# KiCad board Lime_RFE.kicad_pcb (continued)
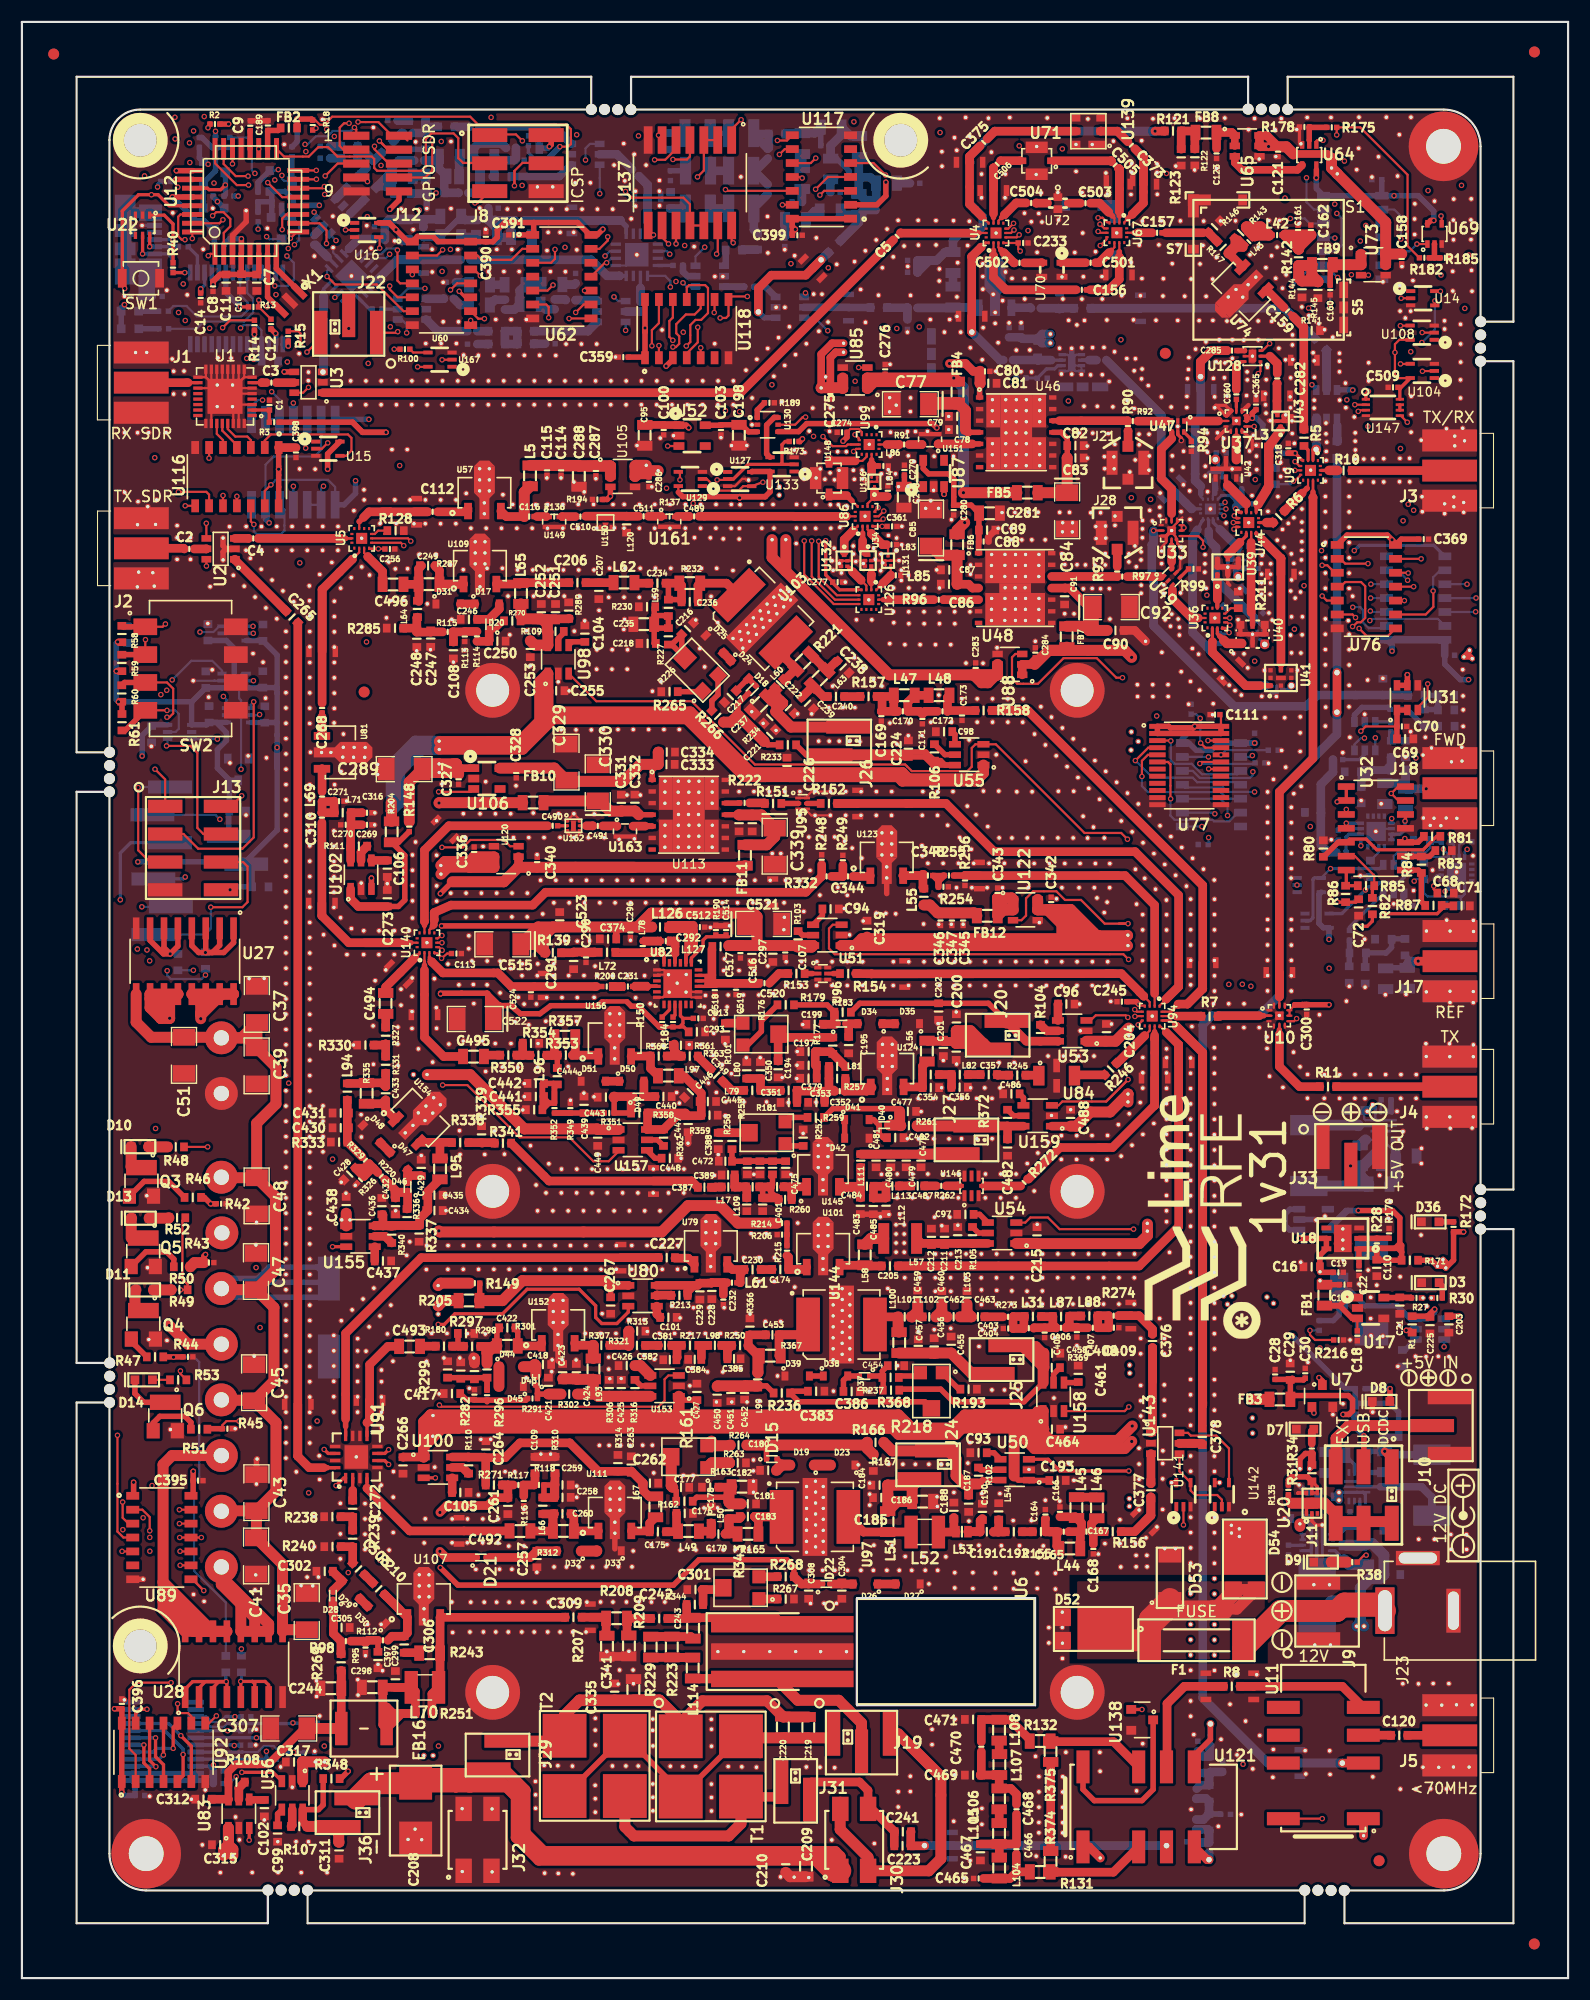
[diagram p0: board, top side]
## Routing (per net, layer and track width the routed paths; a pad name or vN(x,y) marks a point on that pad's centre or on a via; arc(x,y) is an arc through that point) (continued)
/FAN/FAN_POWER_5V: length 12.8
  T w0.5: v1(128.92,61.04) 128.49,60.61 C225.1 128.42,60.4 R1.2
  B w0.5: v1(128.92,61.04) 128.92,60.76 128.33,60.17 U110.6 126.68,60.17 125.51,61.34 122.57,61.34 121.21,62.7 P1.2
/FAN_EN: length 75.9
  SIG1 w0.2: v1(129.78,57.61) 129.78,61.98 128.71,63.04 128.71,65.61 129.15,66.04 129.15,97.94 127.75,99.34 127.75,104.88 126.02,106.6 126.02,110.15 125.47,110.71 125.47,112.38 126.02,112.94 126.02,114.4 126.96,115.34 126.96,125.88 126.45,126.39 v1(126.45,127.56)
  B w0.2: v1(126.45,127.56) 125.54,128.47 U119.6 ; U110.3 129.78,58.26 v1(129.78,57.61)
/FAN_SENSE: length 239.6
  T w0.2: 117.55,59.11 v1(117.54,59.11) 117.54,58.69 118.01,58.23 R216.2 ; v1(17.4,160.82) 17.73,161.15 18.4,161.15 19.02,160.53 19.02,159.86 18.42,159.26 U12.2
  SIG1 w0.2: 123.56,153.29 123.56,153.28 123.56,150.94 ; 123.56,150.94 123.56,148.83 124.91,147.47 124.91,134.73 123.56,133.38 123.56,128.77 123.89,128.44 123.89,121.62 123.56,121.29 123.56,115.87 124.68,114.76 124.68,111.66 123.56,110.54 123.56,105.96 124.21,105.31 124.21,103.91 123.56,103.25 123.56,88.62 120.99,86.06 120.99,79.69 117.54,76.24 117.54,68.71 118.35,67.9 118.35,65.51 117.54,64.7 v1(117.54,59.11) ; 123.56,150.94 123.56,159.02 v1(122.64,159.94) ; v1(15.32,165.68) 16.45,164.55 16.45,161.52 17.15,160.82 v1(17.4,160.82)
  SIG2 w0.2: v1(122.64,159.94) 122.64,162.87 122.22,163.29 105.87,163.29 105.48,163.68 97.67,163.68 97.43,163.92 93.13,163.92 92.5,163.29 86.92,163.29 86.02,162.39 75.23,162.39 72.2,165.42 60.76,165.42 58.88,163.54 53.95,163.54 52.07,165.42 40.72,165.42 40.17,164.87 32.45,164.87 32.03,165.29 31.78,165.29 31.24,165.83 22.93,165.83 22.65,166.11 15.75,166.11 v1(15.32,165.68)
  B w0.2: v1(117.54,59.11) 117.55,59.1 R235.2
/GAMMA_DB: length 115.1
  T w0.3: C72.1 121.72,98.18 R86.1 120.03,98.18 v1(120.02,98.19)
  SIG2 w0.2: 38.47,97.67 30.84,97.67 28.78,99.74 23.73,99.74 22.98,100.48 v1(14.9,100.48)
  SIG2 w0.3: 38.47,97.67 39.27,98.47 46.76,98.47 47.64,99.36 71.29,99.36 72.62,100.69 77.02,100.69 77.98,99.72 80.23,99.72 81.62,101.11 100.68,101.11 103.09,98.69 103.75,98.69 104.1,99.05 109.53,99.05 110.39,98.19 v1(120.02,98.19)
  B w0.3: v1(14.9,100.48) 14.72,100.3 J7.1
/GPIO0: length 20.3
  T w0.2: v1(30.34,168.88) 30.51,168.71 J12.1
  SIG1 w0.2: v1(25.83,167.34) 25.25,166.75 25.25,158.56 v1(24.87,158.18)
  B w0.2: v1(24.87,158.18) 25.3,158.61 25.3,160.02 Q7.S ; v1(30.34,168.88) 30.04,168.57 28.37,168.57 27.88,168.08 26.83,168.08 26.09,167.34 v1(25.83,167.34)
  B w0.5: Q7.S 23.99,160.68 23.7,160.97 R187.1
/GPIO1: length 45.6
  T w0.2: v1(34.29,150.24) 34.19,150.14 J22.1 ; 35.18,167.69 34.75,168.12 J12.2 ; v1(30.67,169.38) 30.69,169.37 32.53,169.37 33.77,168.12 J12.2 ; J12.2 34.84,168.12
  SIG1 w0.2: 30.69,169.83 30.69,169.76 30.69,169.82 30.67,169.83 v1(30.67,169.38) ; 30.69,169.83 34.01,169.83 35.17,168.67 35.17,157.14 34.29,156.26 v1(34.29,150.24) ; 30.69,169.83 28.3,169.83 27.59,169.12 27.22,169.12 27.07,169.27 25.89,169.27 24.69,168.08 24.69,167.21 23.4,165.92 v1(23.4,165.03)
  B w0.2: v1(23.4,165.03) 23.31,164.95 Q8.S
  B w0.5: Q8.S 21.55,163.86 R188.1
/GPIO_ADC1: length 11.5
  T w0.2: v1(10.61,108.64) 10.61,102.92 11.69,101.84 J13.3
  B w0.2: v1(10.61,108.64) 10.66,108.69 J6.3
/GPIO_ADC2: length 16.8
  T w0.2: v1(17.23,97.72) 20.12,97.72 20.59,98.19 20.59,101.44 20.19,101.84 J13.6
  B w0.2: v1(17.23,97.72) 17.23,95.77 16.69,95.22 J7.3
/GPIO_Subsystem/DIR_GPIO2: length 19.2
  T w0.2: v1(13.09,123.57) 12.84,123.31 SW2.1
  T w0.5: R58.1 9.21,123.31 SW2.1
  SIG1 w0.2: v1(13.09,123.57) 13.22,123.45 v1(13.22,117.52)
  SIG2 w0.2: v1(21.13,118.39) 19.09,118.39 18.22,117.52 v1(13.22,117.52)
  B w0.2: v1(21.13,118.39) U23.5
/GPIO_Subsystem/DIR_GPIO3: length 14.3
  T w0.2: v1(11.28,122.14) 11.26,122.12 SW2.2
  T w0.5: R59.1 9.13,120.77 SW2.2
  SIG2 w0.2: v1(11.28,122.14) 11.4,122.27 16.78,122.27 17.23,122.72 v1(21.12,122.72)
  B w0.2: v1(21.12,122.72) 21.11,122.71 U24.5
/GPIO_Subsystem/DIR_GPIO4: length 17.7
  T w0.2: 11.59,118.23 SW2.3 13.24,118.23 13.8,117.67 13.8,115.41 13.46,115.06 v1(13.24,115.06)
  T w0.5: R60.1 9.37,118.23 SW2.3
  SIG2 w0.2: v1(13.24,115.06) 14.37,115.06 14.61,115.31 v1(21.69,115.31)
  B w0.2: v1(21.69,115.31) 21.66,115.31 21.6,115.24 U25.5
/GPIO_Subsystem/DIR_GPIO5: length 8.6
  T w0.2: v1(13.24,115.68) 13.23,115.69 SW2.4
  T w0.5: SW2.4 9.42,113.85 R61.1
  B w0.2: v1(13.24,115.68) 13.99,115.68 14.31,115.36 14.31,114 14.03,113.72 U26.5
/GPIO_Subsystem/GPIO2: length 138.3
  T w0.2: v1(16.75,91.54) 16.75,91.54 16.72,91.54 ; J12.3 29.34,166.85 29,167.2 29,168.86 29.39,169.26 v1(29.85,169.26)
  T w0.5: R46.2 16.64,71.24 v1(17.22,70.66) R42.2
  SIG1 w0.2: v1(13.26,91.93) 13.03,92.16 13.03,94.31 13.71,94.99 v1(13.71,118.47) 13.71,128.53 13.45,128.79 13.45,132.72 13.71,132.98 13.71,143.27 13.14,143.85 13.14,148.2 13.71,148.78 13.71,155.51 13.26,155.97 13.26,165.5 14.58,166.82 14.58,168.34 13.96,168.97 v1(13.96,169.81) ; v1(17.22,70.66) 18.63,70.66 20.3,72.33 20.3,87.5 16.75,91.05 v1(16.75,91.54)
  SIG2 w0.2: v1(29.85,169.26) 29.84,169.27 27.72,169.27 27.59,169.14 27.26,169.14 27.12,169.27 26.15,169.27 25.5,168.62 24.7,168.62 24.25,169.06 19.85,169.06 19.35,168.56 18.62,168.56 17.82,169.36 15.76,169.36 15.31,169.81 v1(13.96,169.81)
  B w0.2: v1(13.71,118.47) 15.46,120.21 17.37,120.21 18.26,119.31 U23.3 ; R54.2 v1(16.75,91.54) 16.39,91.18 13.58,91.18 13.26,91.5 v1(13.26,91.93)
/GPIO_Subsystem/GPIO2_LS: length 20.9
  T w0.2: v1(12.14,110.32) 13.07,109.39 J13.1
  SIG2 w0.2: v1(20,110.31) 19.99,110.32 v1(12.14,110.32)
  B w0.2: U23.4 20.08,119.04 19.82,118.78 19.82,116.78 20,116.6 v1(20,110.31)
/GPIO_Subsystem/GPIO3: length 135.9
  T w0.2: 33.42,166.85 v1(32.62,167.65) 33.42,166.85 ; 33.42,166.85 J12.4
  T w0.5: v1(16.75,66.03) 16.61,65.89 R43.2
  T w1: R50.2 15.75,65.29 R43.2
  SIG1 w0.2: 16.25,123.62 16.25,126.9 17.45,128.1 17.45,133.99 16.25,135.19 16.25,152.98 16.98,153.72 16.98,155.28 17.68,155.98 17.68,159.41 16.07,161.03 16.07,164.13 14.74,165.45 14.74,165.81 16.22,167.29 16.22,168.06 15.71,168.56 v1(15.66,168.56) ; 16.25,123.62 16.25,119.68 16.9,119.03 16.9,117.91 16.25,117.25 16.25,99.91 15.25,98.91 15.25,92.36 v1(15.65,91.97) 15.25,91.57 15.25,68.23 16.75,66.73 v1(16.75,66.03) ; 16.25,123.62 v1(16.25,122.83)
  SIG2 w0.2: v1(32.62,167.65) 29.82,167.65 28.93,168.54 28.31,168.54 27.97,168.21 20.9,168.21 20.56,167.87 16.36,167.87 v1(15.66,168.56)
  B w0.2: v1(15.65,91.97) 15.65,91.97 R55.2 ; v1(16.25,122.83) 17.47,122.83 18,123.36 U24.3
/GPIO_Subsystem/GPIO3_LS: length 20.4
  T w0.2: v1(20.05,107.89) 19.09,106.93 J13.8
  SIG1 w0.2: v1(21.09,123.36) 19.93,123.36 19.43,122.86 19.43,112 20.57,110.87 20.57,110.03 20.05,109.51 v1(20.05,107.89)
  B w0.2: U24.4 20.47,123.36 v1(21.09,123.36)
/GPIO_Subsystem/GPIO4: length 178
  T w0.2: v1(13.98,167.83) 13.97,167.82 ; v1(27.68,164.46) 28.8,165.58 J12.5 30.32,165.58 ; R47.2 13.8,56.69 v1(13.84,56.66) 13.87,56.69 R44.2
  T w0.5: R47.2 R44.2
  SIG1 w0.2: v1(13.98,167.83) 13.98,166.8 12.84,165.66 12.84,155.12 12.53,154.81 12.53,153.72 12.84,153.42 12.84,142.4 12.57,142.13 12.57,139.49 12.84,139.22 12.84,125.39 12.32,124.87 12.32,117.49 v1(12.68,117.12) 12.68,57.82 v1(13.84,56.66) ; v1(28.51,168.06) 27.68,167.23 v1(27.68,164.46)
  SIG2 w0.2: v1(13.98,167.83) 14.21,168.06 15.56,168.06 16.17,167.45 20.85,167.45 21.23,167.83 28.28,167.83 v1(28.51,168.06) ; v1(12.68,117.12) 13.08,116.72 16.01,116.72 16.59,116.14 17.57,116.14 v1(18.39,116.96)
  B w0.2: v1(13.84,56.66) 15.73,56.66 16.18,56.21 16.18,45.71 15.71,45.24 15.71,37.17 18.6,34.28 R56.2 ; 18.67,116.67 v1(18.39,116.96) 18.67,116.67 ; 18.67,116.67 U25.3
/GPIO_Subsystem/GPIO4_LS: length 22.1
  T w0.2: J13.2 14.74,104.4 16.09,103.06 20.12,103.06 21.15,104.09 v1(21.15,116.47)
  B w0.2: v1(21.15,116.47) 20.87,116.19 U25.4
/GPIO_Subsystem/GPIO5: length 145.2
  T w0.2: 18.26,50.1 R45.2 18.3,50.46 18.66,50.83 v1(19.81,50.83) ; v1(29.82,150.54) 29.82,150.54 J22.2
  T w0.5: R51.2 16.97,50.13 R45.2
  SIG1 w0.2: 17.83,112.28 17.83,107.24 17.22,106.63 17.22,105.25 17.83,104.64 17.83,90.54 20.68,87.69 20.68,51.69 v1(19.81,50.83) 20.68,49.96 20.68,30.69 v1(20.03,30.04) ; 17.83,112.28 v1(17.83,113.07) ; 17.83,112.28 17.83,141.47 17.14,142.16 17.14,150.54 v1(17.13,150.55)
  SIG2 w0.2: v1(29.82,150.54) 29.81,150.55 20.93,150.55 20.23,149.85 17.83,149.85 v1(17.13,150.55)
  B w0.2: v1(20.03,30.04) 20.03,30.04 R57.2 ; v1(17.83,113.07) U26.3
/GPIO_Subsystem/GPIO5_CONN: length 36.3
  T w0.2: v1(26.01,148.38) 27.28,149.65 J22.3 ; v1(32.17,167.16) 32.17,166.89 33.48,165.58 J12.6 ; J12.6 33.59,165.58 ; J12.6 33.58,165.58 ; J12.6 33.61,165.58
  SIG1 w0.2: v1(27.81,168.72) 27.81,167.84 26.01,166.04 v1(26.01,148.38)
  SIG2 w0.2: v1(27.81,168.72) 27.97,168.88 29.14,168.88 29.15,168.88 29.85,168.18 32.89,168.18 33.16,167.91 33.16,167.4 32.93,167.16 v1(32.17,167.16)
/GPIO_Subsystem/GPIO5_LS: length 13
  T w0.2: v1(13.2,112.45) 15.37,112.45 16.01,111.81 16.01,104.96 16.56,104.4 J13.7
  B w0.2: v1(13.2,112.45) 13.29,112.54 U26.4
/GPIO_Subsystem/RELAY_0: length 34.4
  T w1: U27.15 U27.14 U27.13 16.32,88.98 16.32,87.88 ; U27.15 U27.16 18.23,89.79 16.32,87.88 ; U27.15 16.32,88.07 16.32,87.88 ; 16.32,87.88 v1(16.32,87.55)
  SIG1 w1: v1(16.32,87.55) 15.99,87.22 15.99,68.68 16.66,68 J16.7
/GPIO_Subsystem/RELAY_1: length 50.1
  T w1: 12.68,87.57 11.7,88.56 U27.10 ; 12.68,87.57 13.46,87.57 v1(13.48,87.59) ; 12.68,87.57 12.68,88.24 U27.12 ; 12.68,87.57 12.68,89.51 U27.11 ; U27.12 13.48,89.04 v1(13.48,87.59) ; U27.12 U27.10 ; v1(13.45,59.55) 15.15,57.84 J16.5 ; U27.10 11.7,89.37 v1(13.48,87.59)
  SIG1 w1: v1(13.48,87.59) 13.45,87.56 v1(13.45,59.55)
/GPIO_Subsystem/RELAY_2: length 48.8
  T w0.5: U28.15 U28.14 ; U28.15 U28.13 ; U28.15 U28.16
  T w1: 12.88,36.14 12.88,46.86 13.71,47.68 J16.3 ; 12.88,36.14 17.38,31.64 U28.13 U28.16 12.88,33.66 12.88,34.39 ; 12.88,36.14 12.88,35.31 ; 12.88,34.39 15.63,31.64 U28.15 ; 12.88,34.39 12.88,35.31 ; 12.88,35.31 16.54,31.64 U28.14
/GPIO_Subsystem/RELAY_3: length 29.5
  T w0.5: 21.25,32.88 18.2,35.93 J16.1 ; U28.12 U28.11
  T w1: 18.2,35.93 21.25,32.88 U28.11 ; 18.2,35.93 J16.1 18.2,36.63 22.52,32.32 U28.10 U28.11 ; 18.2,35.93 19.98,34.15 U28.12 U28.11
/LNA_EN: length 122.3
  T w0.2: R182.1 126.45,158.07 126.45,164.57 122.13,168.89 R175.1 119.98,168.2 v1(119.98,168.2) ; v1(27.6,163.49) 27.44,163.33 U12.14
  SIG1 w0.2: v1(38.27,167.6) 38.27,163.38 v1(37.8,162.91)
  SIG2 w0.2: v1(38.27,167.6) 39.44,168.78 44.99,168.78 45.6,169.38 50.42,169.38 51.03,168.78 68.05,168.78 69.02,169.74 74.31,169.74 79.16,164.89 79.55,164.89 80.09,164.35 84.04,164.35 87.59,167.89 98.74,167.89 99.25,168.4 102.32,168.4 103.02,167.7 104.22,167.7 104.72,168.2 v1(119.98,168.2) ; v1(37.8,162.91) 37.61,163.1 27.99,163.1 v1(27.6,163.49)
/MCU/DATA_5V: length 24.4
  T w0.2: v1(27.91,140.1) 27.37,139.56 U15.2 ; v1(27.8,158.29) 27.8,159.5 27.16,160.13 U12.10
  SIG1 w0.2: v1(27.91,140.1) 28.26,140.45 28.26,151.94 27.83,152.37 27.83,154.19 28.42,154.79 28.42,155.68 27.8,156.3 v1(27.8,158.29)
/MCU/DATA_CLK_5V: length 7.1
  T w0.2: v1(29.53,159.53) 29.54,159.52 U16.2 ; v1(24.5,158.77) 25.08,159.34 U12.9
  SIG2 w0.2: v1(24.5,158.77) 25.27,159.53 v1(29.53,159.53)
/MCU/DATA_RESET_5V: length 126.8
  T w0.2: v1(26.84,168.81) 26.68,168.65 R18.1 ; 24.52,160.94 U12.11 24.13,160.94 23.75,160.57 v1(23.75,159.55) ; U14.2 v1(125.86,153.29)
  SIG1 w0.2: v1(23.18,153.62) 23.65,154.09 23.65,159.45 ; 23.65,159.45 v1(23.75,159.55) ; 23.65,159.45 24.42,160.22 24.42,166.39 25.12,167.1 25.12,167.87 26.06,168.81 v1(26.84,168.81)
  SIG2 w0.2: v1(125.86,153.29) 112.64,153.29 111.97,152.62 94.11,152.62 92.93,153.8 90.28,153.8 89.86,154.22 88.53,154.22 87.83,153.52 86.43,153.52 85.84,152.92 84.39,152.92 84.22,153.1 71.03,153.1 70.62,153.51 67.82,153.51 67.2,152.88 23.92,152.88 v1(23.18,153.62)
/MCU/GPIO0_MCU: length 70.7
  T w0.2: v1(15.55,158.74) 15.55,159.27 U12.32 ; R2.1 16.98,169 v1(16.98,168.85) ; U167.2 39.24,147.68 v1(38.34,147.68)
  T w0.5: 17.16,169.19 R2.1
  SIG1 w0.2: v1(23.08,164.09) 22.93,163.95 22.93,159.52 v1(22.33,158.92) ; v1(17.53,163.8) 17.53,166.02 18.39,166.88 18.39,168.77 17.97,169.19 17.32,169.19 v1(16.98,168.85) ; v1(38.34,155.74) 38.34,155.31 37.47,154.44 37.47,148.56 v1(38.34,147.68) ; v1(14.72,154.6) 14.39,154.93 14.39,157.29 15.55,158.45 v1(15.55,158.74)
  SIG2 w0.2: 22.8,164.37 21.97,165.19 ; 21.97,165.19 v1(23.08,164.09) ; 21.97,165.19 20.59,165.19 19.49,164.09 17.82,164.09 v1(17.53,163.8) ; v1(22.33,158.92) 21.64,158.23 19.42,158.23 18.91,158.74 v1(15.55,158.74) ; v1(14.72,154.6) 15.59,155.46 23.51,155.46 25.02,153.95 28.72,153.95 29,153.67 31.09,153.67 32.36,154.94 33.76,154.94 34.74,155.92 36.21,155.92 36.93,155.2 37.79,155.2 38.33,155.74 v1(38.34,155.74)
  B w0.2: v1(22.33,158.92) 22.57,158.68 Q7.D
/MCU/GPIO1_MCU: length 26.9
  T w0.2: v1(17.01,157.18) 17.18,157.35 U12.1
  SIG1 w0.2: v1(23.08,154.42) 23.08,158 23.27,158.19 23.27,160.11 23.72,160.56 23.72,161.3 24.12,161.7 24.12,163.02 23.72,163.42 v1(23.72,164.5)
  SIG2 w0.2: v1(24.18,157.15) 24.16,157.18 v1(17.01,157.18)
  B w0.2: 24.83,156.51 24.82,156.52 ; 24.82,156.52 24.82,154.99 24.25,154.42 v1(23.08,154.42) ; 24.82,156.52 v1(24.18,157.15) ; 24.23,164 Q8.D 23.94,164 23.72,164.22 v1(23.72,164.5)
  B w0.5: R186.1 24.63,166.2 Q8.D
/MCU/MISO: length 30.1
  T w0.2: v1(26.87,164.96) 26.86,164.96 U12.16 ; v1(45.67,167.66) 45.08,168.24 41.78,168.24
  SIG1 w0.2: v1(45.67,167.66) 45.65,167.64 v1(45.65,163.59)
  SIG2 w0.2: v1(45.65,163.59) 45.65,164.29 45.38,164.55 41.09,164.55 40.47,163.93 32.25,163.93 31.63,164.55 29.89,164.55 29.48,164.96 v1(26.87,164.96)
/MCU/MOSI: length 26.3
  T w0.2: v1(26.88,164.15) 26.87,164.15 U12.15 ; 44.95,164.91 v1(44.95,163.56) 44.95,164.91 ; 44.95,164.91 45.68,165.64 47.69,165.64
  SIG2 w0.2: v1(44.95,163.56) 44.36,164.15 41.3,164.15 40.61,163.46 37.74,163.46 37.73,163.47 28.3,163.47 27.81,163.96 27.07,163.96 v1(26.88,164.15)
/MCU/RESET: length 66.5
  T w0.2: v1(21.62,153.13) 21.58,153.09 R13.2 21.61,152.5 C12.1 ; v1(9.38,154.18) 9.16,154.4 SW1.2 ; 42.69,163.1 41.58,161.99 v1(41.34,161.99)
  T w0.3: U12.29 13.44,161.74 12.43,162.74 v1(11.82,162.74) 10.65,162.74 9.16,161.26 SW1.2
  SIG2 w0.2: v1(9.38,154.18) 9.38,155.01 9.3,155.09 13.25,155.09 14.28,154.05 14.85,154.05 ; 14.85,154.05 15.88,155.09 ; 14.85,154.05 15.88,155.09 ; 15.88,155.09 18.17,155.09 20.13,153.13 v1(21.62,153.13) ; v1(41.34,161.99) 33.38,161.99 32.92,161.53 32.36,161.53 31.99,161.9 27.85,161.9 27.49,162.27 26.34,162.27 25.9,161.83 19.38,161.83 18.48,162.73 17.46,162.73 16.49,161.75 13.52,161.75 12.52,162.74 v1(11.82,162.74)
/MCU/RX: length 1
  T w0.5: v1(24.3,148.93) R15.1
  B w0.5: v1(24.3,148.93) 24.15,149.09 U13.1
/MCU/RX_SW_0_MCU: length 137.8
  T w0.2: v1(127.81,146.63) 127.83,146.65 128.89,146.65 ; v1(20.68,163.62) 19.61,163.62 17.62,165.61 U12.24 ; v1(20.51,147.8) 20.51,147.81 20.5,147.81
  SIG1 w0.2: v1(20.51,147.8) 20.51,152.88 19.57,153.82 19.57,157.33 20.68,158.45 20.68,160.6 21.37,161.29 21.37,161.9 20.68,162.59 v1(20.68,163.62)
  SIG2 w0.2: v1(20.51,147.8) 21.7,149 23.19,149 24.3,150.1 29.12,150.1 29.56,149.67 33.2,149.67 33.3,149.77 34.8,149.77 34.9,149.67 35.99,149.67 36.11,149.78 58.31,149.78 58.72,149.37 58.72,148.24 59.25,147.72 66.17,147.72 66.78,147.11 68.87,147.11 69.54,147.77 69.95,147.77 70.35,147.38 75.53,147.38 75.6,147.45 77.31,147.45 78,146.77 88.24,146.77 88.64,147.17 89.14,147.17 90.05,148.09 93.48,148.09 93.67,147.9 100,147.9 100.6,148.5 102.76,148.5 103.96,147.3 104.67,147.3 105.8,148.43 106.64,148.43 107.37,147.7 107.83,147.7 108.69,146.84 110.71,146.84 111.42,147.55 114.23,147.55 114.74,147.05 121.59,147.05 122,146.63 v1(127.81,146.63)
/MCU/RX_SW_1_MCU: length 129.1
  T w0.2: v1(127.78,150.16) 127.8,150.15 U108.2 ; v1(20.64,164.44) 19.51,164.44 18.41,165.55 U12.23
  SIG1 w0.2: 21.21,163.87 v1(20.64,164.44) ; 21.21,163.87 21.21,162.72 21.78,162.15 21.78,161.19 21.21,160.62 21.21,159.97 21.04,159.8 21.04,152.92 21.44,152.52 v1(22.39,152.52) ; 21.21,163.87 21.21,163.07 21.18,163.04 ; 21.18,163.04 21.18,163.02 21.18,163.04
  SIG2 w0.2: v1(127.78,150.16) 125.68,150.16 125.44,150.4 119.73,150.4 118.62,151.51 118.09,151.51 117.69,151.11 116.56,151.11 115.49,152.18 93.82,152.18 93.38,152.62 90.86,152.62 89.87,153.62 89.32,153.62 88.84,153.13 86.6,153.13 86.04,152.57 83.94,152.57 83.77,152.74 70.68,152.74 70.36,153.05 68.58,153.05 68,152.47 68,151.95 67.39,151.34 66.14,151.34 64.97,152.52 v1(22.39,152.52)
/MCU/SCK: length 30.4
  T w0.2: U12.17 23.93,166.22 26.18,166.22 27.04,167.08 27.94,167.08 28.81,166.22 31.93,166.22 32.15,166.01 32.15,165.19 32.41,164.93 36.46,164.93 36.86,165.32 36.86,167.84 37.36,168.34 39.39,168.34 39.82,167.91 39.82,166.08 40.26,165.64 44.14,165.64 ; 41.78,165.7 44.21,165.7
/MCU/SCL_MCU: length 9.5
  T w0.5: v1(13.73,162.53) 15.61,162.53 U12.28
  B w0.2: Q1.D 17.5,158.3 R19.1
  B w0.5: R19.1 17.56,159.47 Q1.D 16.65,160.38 15.86,160.38 15.86,160.4 v1(13.73,162.53)
/MCU/SDA_MCU: length 5.4
  T w0.3: v1(18.56,163.63) 18.14,163.2 17.08,163.2 16.94,163.34 U12.27
  B w0.3: v1(18.56,163.63) 18.57,163.63 ; v1(18.56,163.63) 18.57,163.63 ; v1(18.56,163.63) 18.57,163.63
  B w0.5: Q2.D 18.57,162.74 R20.1
/MCU/TX: length 1.3
  T w0.5: v1(21.22,149.99) R14.1
  B w0.5: v1(21.22,149.99) 21.22,149.99 U13.5
/PA_ENn: length 165.9
  T w0.2: v1(22.43,163.85) 23.76,162.52 U12.13
  SIG1 w0.2: 16.29,66.59 15.52,67.37 ; 16.29,66.59 14.95,67.93 14.95,99.19 15.89,100.13 15.89,101.24 15.58,101.55 15.58,117.29 16.27,117.99 16.27,118.74 15.59,119.43 15.59,120.93 15.58,120.93 15.58,127.35 16.33,128.1 16.33,134.06 15.58,134.82 15.58,143.66 15.83,143.91 15.83,154.02 15.38,154.46 15.38,157.42 16.21,158.25 16.21,159.74 15.17,160.79 15.17,162.49 v1(14.23,163.43) ; 16.29,66.59 16.29,45.82 15.76,45.28 15.76,37.04 19.19,33.61 19.19,26.07 18.81,25.69 18.81,23.57 19.39,22.99 19.39,22.11 18.73,21.46 18.73,21.07 19.55,20.25 v1(19.55,18.38)
  SIG2 w0.2: v1(22.43,163.85) 21.69,163.11 14.54,163.11 v1(14.23,163.43)
  B w0.2: v1(19.55,18.38) 18.92,17.75 R168.1
/PFWDF_DB: length 136.6
  T w0.3: v1(124.36,97.13) 129.15,97.13 129.56,97.54 R87.1
  T w0.5: R87.1 130.6,97.88 C71.1
  SIG2 w0.3: v1(8.98,98.4) 8.99,98.38 28.94,98.38 30.05,97.27 38.81,97.27 39.5,97.96 46.92,97.96 47.82,98.86 71.47,98.86 72.85,100.24 74.85,100.24 77.38,97.71 80.55,97.71 83.26,100.43 100.63,100.43 103.33,97.73 109.44,97.73 110.04,97.13 v1(124.36,97.13)
  B w0.3: v1(8.98,98.4) 8.98,102.67 9.93,103.61 J6.1
/PowerSupply/+12EXT: length 39.6
  T w1: 108.61,33.96 109.71,33.96 110.53,34.79 D54.2 ; 108.61,33.96 104.13,33.96 102.94,32.77 F1.1 102.94,32.23 ; 108.61,33.96 109.03,33.96 D54.2 ; 102.94,31.42 104.85,33.33 109.92,33.33 109.92,33.67 110.87,33.67 D54.2 D54.2 ; 98.78,31.99 98.78,30.88 98.83,30.83
  T w2: D52.1 99.85,30.83 F1.1 ; D53.1 102.94,32.77 F1.1 ; F1.1 102.94,31.42
/RX_H/BPF920/IN: length 10.2
  T w0.2: 100.9,160.52 100.6,160.22
  T w0.5: 101.32,160.96 101.32,160.95 100.9,160.52
  T w0.79: 101.32,160.95 101.32,160.96 102.35,161.98 102.35,166.16 ; 102.35,166.16 C373.2 ; 102.35,166.16 102.34,166.15 P106.2
/RX_H/BPF1300/IN: length 5.6
  T w0.2: 99.21,157.46 99.7,157.94 99.7,158.32
  T w0.5: 99.21,157.46 99.21,157.46 98.29,156.54 99.4,157.65 99.4,157.65
  T w0.79: 99.21,157.46 98.29,156.54 C501.2
/RX_H/BPF2400/IN: length 10.5
  T w0.1: 100.09,165.14 100.09,165.15 100.15,165.08
  T w0.2: 100.15,160.22 100.15,160.81
  T w0.5: 100.15,161.63 100.15,160.81
  T w0.79: 100.09,165.15 100.15,165.08 100.15,163.27 100.15,163.26 100.15,161.23 100.15,165.07 C505.2 100.16,165.07 P104.2
/RX_H/BPF3500/IN: length 4.1
  T w0.2: 99.52,160.8 99.7,160.62 99.7,160.22
  T w0.5: 98.83,161.48 99.52,160.8
  T w0.79: 98.83,161.48 99.17,161.15 98.35,161.97 C503.2
/RX_H/FSEL_OUT_V1_2V5: length 23.3
  T w0.2: v1(98.41,158.1) 98.97,158.67 98.97,158.87
  SIG2 w0.2: v1(115.76,160.57) 115.39,160.94 100.73,160.94 99.28,159.49 99.28,159.44 99.33,159.49 99.33,159.03 v1(98.41,158.1)
  B w0.2: U68.12 117.52,160.11 117.06,160.57 v1(115.76,160.57)
/RX_H/FSEL_OUT_V2_2V5: length 30
  T w0.2: v1(98.21,159.39) 98.33,159.27 98.97,159.27 ; v1(119.8,161.88) 119.81,161.89 119.81,161.9
  SIG1 w0.2: 119.8,158.8 v1(119.81,158.79) 119.81,159.48 119.23,160.07 119.23,161.31 v1(119.8,161.88)
  SIG2 w0.2: v1(119.8,161.88) 119.8,161.89 98.54,161.89 97.64,160.99 97.64,159.82 98.07,159.39 v1(98.21,159.39) ; 119.8,158.8 v1(119.81,158.79)
  B w0.2: v1(119.81,158.79) 119.76,158.84 U68.11
/RX_H/FSEL_OUT_V3_2V5: length 28.5
  T w0.2: v1(98.38,160.06) 98.76,159.67 98.97,159.67
  SIG2 w0.2: 117.13,161.04 116.92,161.04 116.4,161.55 99.98,161.55 98.48,160.06 v1(98.38,160.06) ; 117.13,161.04 117.47,161.04 ; 117.13,161.04 v1(119.99,161.04)
  B w0.2: v1(119.99,161.04) 120.42,160.6 120.42,158.1 119.89,157.57 U68.10
/RX_H/LNA_EN_2V5: length 4.4
  T w0.2: v1(127.3,158.24) 127.31,158.24 U69.1
  B w0.2: v1(127.3,158.24) 126.63,157.57 U68.5
/RX_H/LNA_H/LNA_EN: length 13.4
  T w0.2: v1(122.87,155.4) 122.87,155.4 U73.3 ; v1(129.5,160.8) 129.56,160.74 U69.4
  SIG1 w0.2: v1(129.5,155.41) v1(129.5,160.8)
  SIG2 w0.2: v1(129.5,155.41) 129.5,155.4 v1(122.87,155.4)
/RX_H/LNA_H/RF_OUT: length 5.4
  T w0.5: R146.2 108.29,159.27 107.78,159.27 ; C157.2 104.4,159.27
  T w0.79: R147.1 108.31,159.24 R146.2 108.29,159.27 ; 104.4,159.27 107.78,159.27
/RX_H/RF_0_OUT: length 8.7
  T w0.2: 87.81,160.55 U4.11
  T w0.5: 87.81,160.55 87.58,160.78
  T w0.79: 86.48,166.23 C375.1 ; 86.48,166.23 86.48,165.7 P99.2 ; 86.48,166.23 86.48,161.88 87.58,160.78
/RX_H/RF_1_OUT: length 7.6
  T w0.1: 88.67,165.18 88.68,165.18 ; 88.66,161.23 88.66,161.56
  T w0.2: U4.10 88.66,160.66
  T w0.5: 88.66,161.23 88.66,160.66
  T w0.79: 88.68,165.18 88.67,165.18 88.67,163.2 ; C506.1 88.66,165.19 88.66,161.02
/RX_H/RF_2_OUT: length 3.4
  T w0.2: 89.4,160.66 89.11,160.37 U4.9
  T w0.5: 89.4,160.66 89.67,160.92
  T w0.79: 89.67,160.92 89.67,160.92 90.74,161.99 C504.1
/RX_H/RF_3_OUT: length 5.6
  T w0.2: C502.1 90.51,156.53 89.11,157.93 U4.3
  T w0.5: 89.33,157.72 89.33,157.73 90.52,156.53 C502.1
  T w0.79: 89.61,157.44 89.61,157.44 90.53,156.53 C502.1
/RX_H/RF_4_OUT: length 11.2
  T w0.2: 88.66,157.16 88.66,157.16 ; U4.2 88.66,157.67
  T w0.5: 88.66,157.67 88.66,157.16
  T w0.79: 88.66,157.16 88.66,157.16 88.66,155.2 89.79,154.07 96.2,154.07
/RX_H/RF_IN: length 16.8
  T w0.5: R141.1 116.95,150.68 C159.2
  T w0.79: R5.2 116.98,141.34 116.98,145.58 ; 116.98,145.58 116.98,147.57 ; 116.98,145.58 116.98,149.87 ; 116.98,149.87 116.98,150.32 R141.1 116.95,150.68 116.02,151.61 116.98,150.66 116.98,149.87
/RX_L/BPF30/IN: length 5.7
  B w0.7: U134.1 49.05,164.41 44.87,164.41
/RX_L/BPF30/OUT: length 3.2
  B w0.5: 29.98,161.04 31.1,162.16
  B w0.79: 31.1,162.16 29.98,161.04 U38.3
/RX_L/BPF60/IN: length 11.3
  B w0.7: 48.56,168.94 U134.3 48.56,168.94 ; 48.56,168.94 C146.2
/RX_L/BPF60/OUT: length 1.4
  B w0.79: U38.1 28.65,162.39 L30.1
/RX_L/BPF145/IN: length 2.2
  B w0.79: U135.3 52.4,153.13 C497.1 50.7,153.13
/RX_L/BPF145/OUT: length 1.6
  B w0.79: C498.2 38.49,153.25 U93.1
/RX_L/BPF220/IN: length 4.2
  B w0.79: U135.1 51.64,150.29 C145.1
/RX_L/BPF220/OUT: length 4.2
  B w0.79: U93.3 37.96,150.29 C372.1
/RX_L/BPF440/IN: length 14.6
  B w0.3: 55.14,159.87 U59.9
  B w0.5: 54.6,160.41 55.14,159.87
  B w0.79: C499.1 54.6,160.41 54.6,160.4 P88.2
/RX_L/BPF440/OUT: length 3.3
  B w0.3: 29.86,157.82 U58.4
  B w0.79: 29.86,157.82 29.86,157.83 30.72,158.69 C500.2
/RX_L/FSEL_IN_V1_2V5: length 9.9
  T w0.2: v1(27.85,155.28) 28.57,154.55 32.39,154.55 34.83,152.11 U60.6
  B w0.2: U58.1 27.85,155.8 v1(27.85,155.28)
/RX_L/FSEL_IN_V2_2V5: length 7.7
  T w0.2: v1(34.27,157.69) 34.27,154.91 34.52,154.65 U60.4
  B w0.2: v1(34.27,157.69) 34.12,157.83 33.3,157.83 32.79,157.33 31.63,157.33 U58.6
/RX_L/FSEL_IN_V3_2V5: length 7.8
  T w0.2: v1(33.56,154.41) 33.56,154.11 34.28,153.38 U60.5
  SIG1 w0.2: v1(33.56,154.41) 33.56,154.42 v1(33.56,157.31)
  B w0.2: v1(33.56,157.31) 33.2,156.96 32.18,156.96 U58.7
/RX_L/FSEL_IN_V4_2V5: length 9.5
  T w0.2: v1(35.63,155.45) 35.63,155.46 U60.3
  SIG2 w0.2: v1(28.56,153.37) 33.83,153.37 34.26,153.8 34.26,154.79 34.92,155.45 v1(35.63,155.45)
  B w0.2: v1(28.56,153.37) 28.59,153.37 U58.14
/RX_L/FSEL_OUT_V1_2V5: length 16.8
  T w0.2: v1(48.47,154.5) 47.96,153.99 U62.5
  SIG2 w0.2: 53.95,153.91 52.13,153.91 51.54,154.5 v1(48.47,154.5) ; 53.95,153.91 54.19,153.91 ; 53.95,153.91 58.77,153.91 ; 58.77,153.91 v1(59.17,154.32) 58.77,153.91
  B w0.2: v1(59.17,154.32) 59.17,154.86 58.7,155.34 U59.1
/RX_L/FSEL_OUT_V2_2V5: length 3
  T w0.2: U62.11 53.2,156.54 v1(53.36,156.54)
  B w0.2: v1(53.36,156.54) 53.76,156.94 U59.6
/RX_L/FSEL_OUT_V3_2V5: length 6.3
  T w0.2: v1(51.34,153.99) 51.34,153.99 U62.10
  SIG1 w0.2: v1(51.34,153.99) 51.34,156.38 52.11,157.15 v1(53.22,157.15)
  B w0.2: v1(53.22,157.15) 53.65,157.59 U59.7
/RX_L/FSEL_OUT_V4_2V5: length 21.2
  T w0.2: v1(48.07,151.52) 48.07,152.5 47.85,152.72 U62.6
  SIG1 w0.2: v1(49.56,157.94) 47.65,156.04 47.65,153.91 48.07,153.5 v1(48.07,151.52)
  SIG2 w0.2: v1(49.56,157.94) 49.95,158.33 51.6,158.33 52.02,157.92 56.76,157.92 57.36,157.32 v1(59.12,157.32)
  B w0.2: v1(59.12,157.32) 58.85,157.59 U59.14